# Altium PCB UmTRXv21.PcbDoc (part 12 of 19)
Units mm, origin at the board's own origin, x right, y up, seen from the top; angles counter-clockwise.
Board outline 159.5 x 99.5 mm, 6 copper layers (Top Layer, GND, MidLayer1, Mid-Layer 2, InternalPlane2, Bottom Layer), stack 1.526 mm thick; 716 components, 578 nets, 2850 pads, 1402 vias.
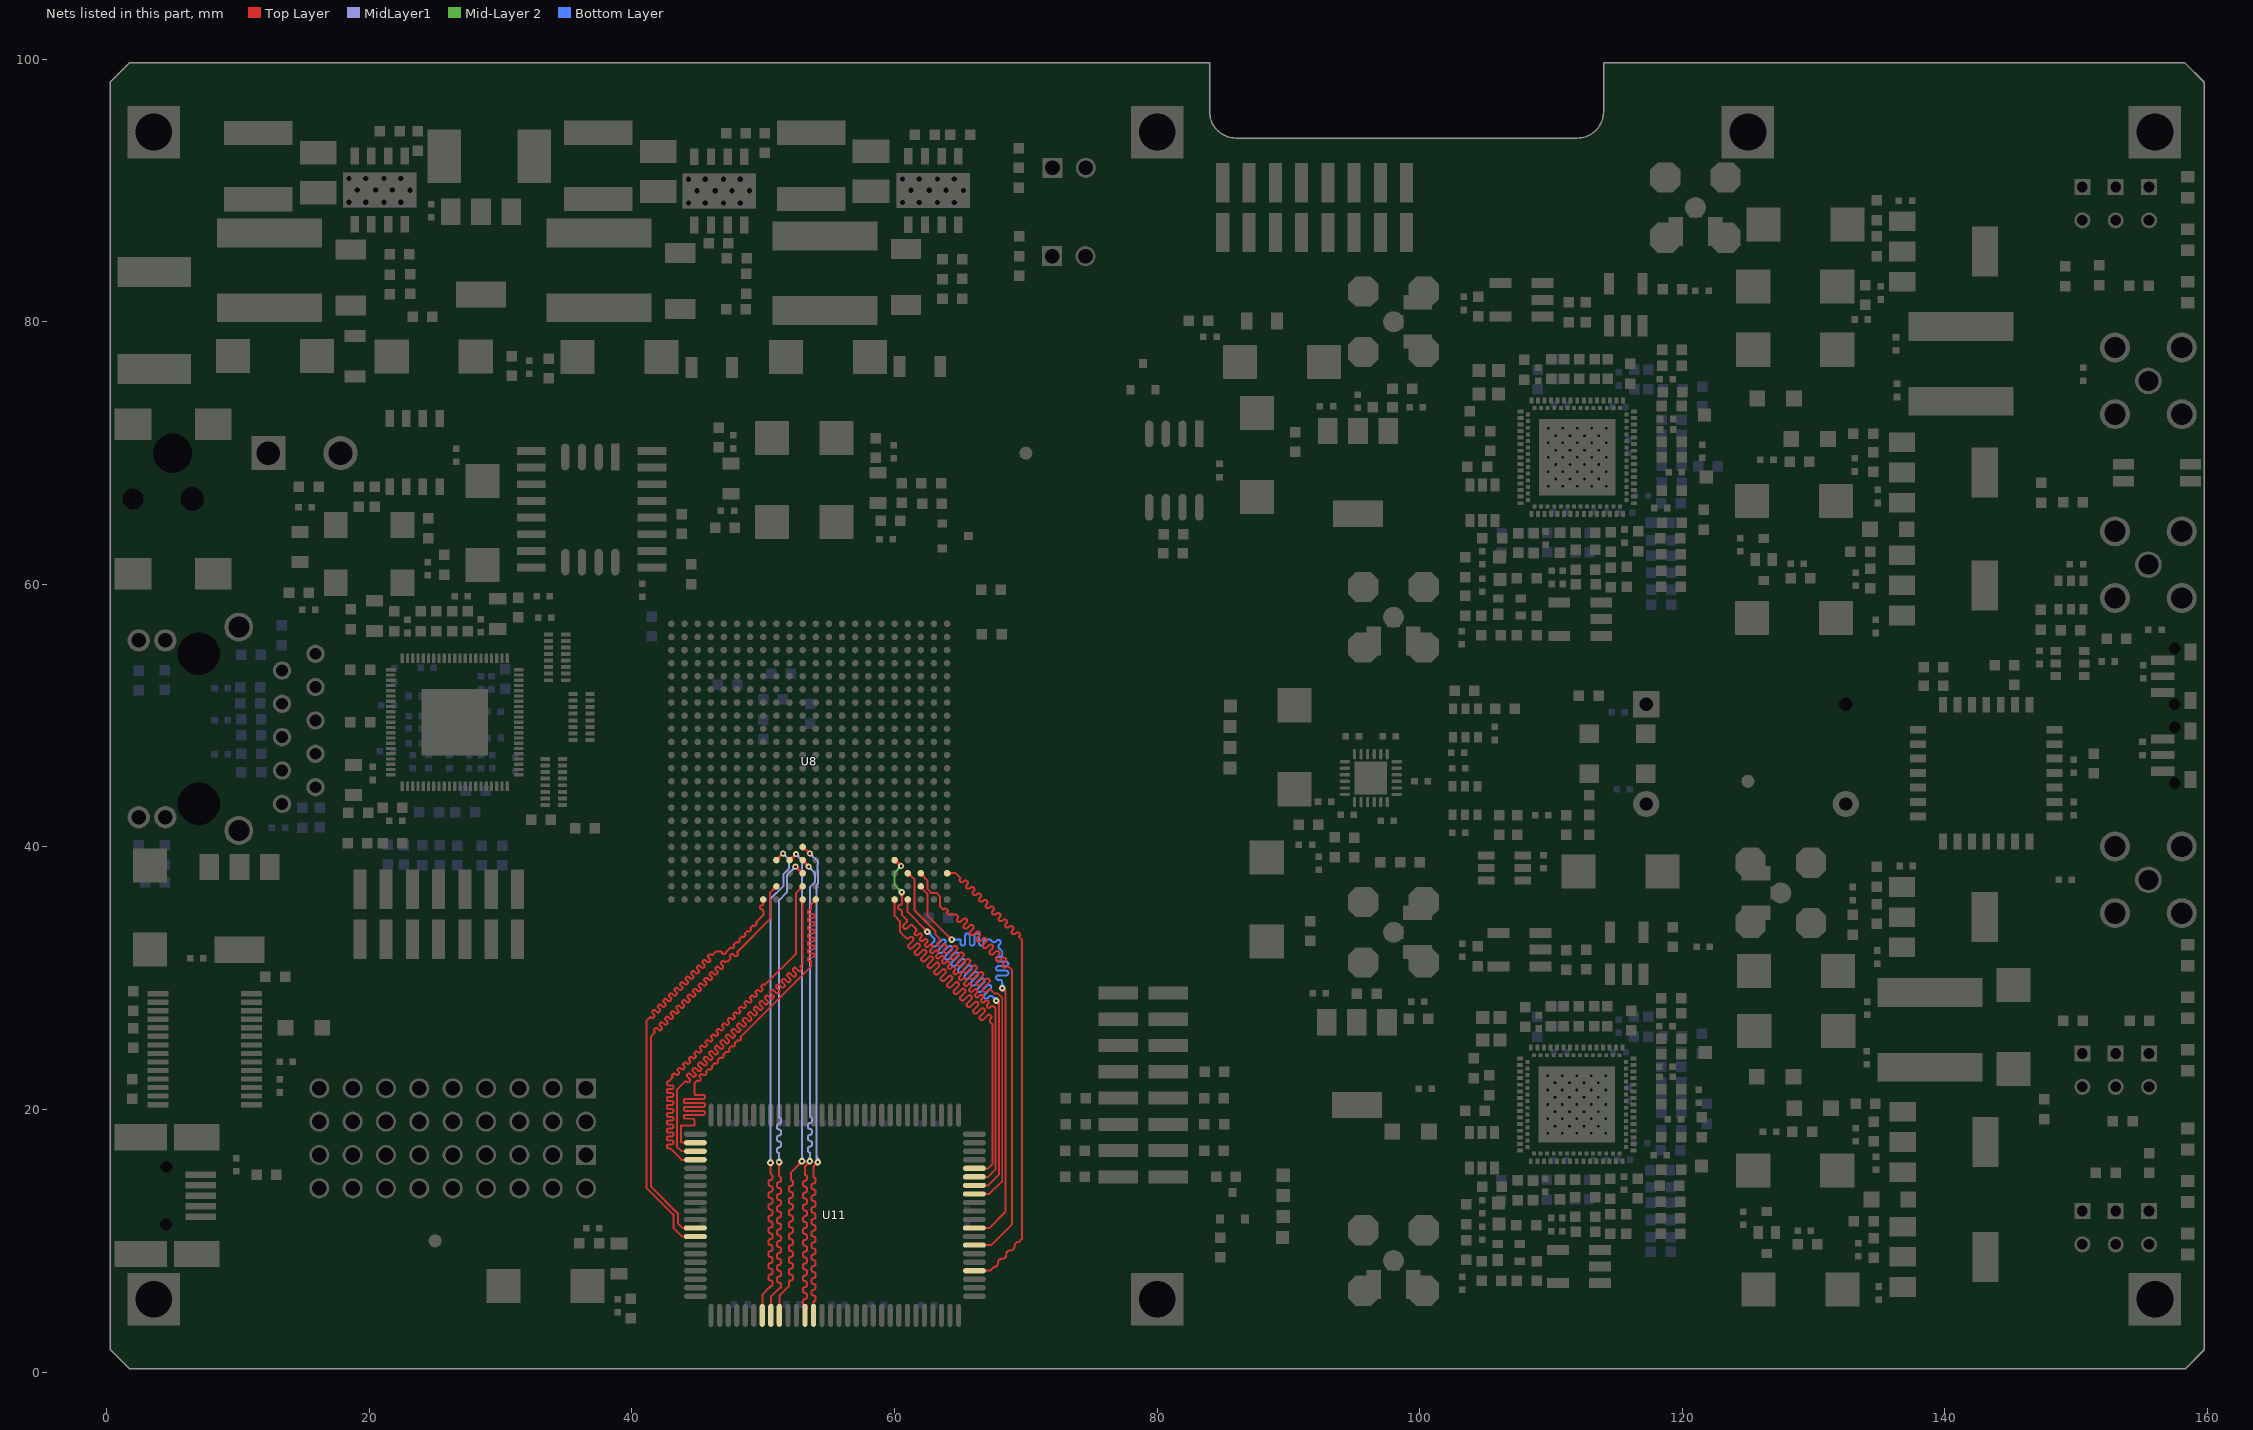
[diagram p16: the nets of this part, all layers, seen from the top]

## Via types
v1: diameter 0.45, hole 0.2, Top Layer to Bottom Layer, tented both sides, 440 vias
v2: diameter 0.5, hole 0.2, Top Layer to Bottom Layer, tented both sides, 423 vias
v3: diameter 0.7, hole 0.3, Top Layer to Bottom Layer, tented both sides, 257 vias
v4: diameter 0.4, hole 0.2, Top Layer to Bottom Layer, tented both sides, 197 vias
v5: diameter 0.8, hole 0.3, Top Layer to Bottom Layer, tented both sides, 63 vias
v6: diameter 0.6, hole 0.25, Top Layer to Bottom Layer, tented both sides, 16 vias
v7: diameter 0.6, hole 0.3, Top Layer to Bottom Layer, tented both sides, 4 vias
v8: diameter 1, hole 0.5, Top Layer to Bottom Layer, tented both sides, 2 vias

## Nets (pads, with @x,y where several pads share a name; then routed paths per layer and width w, separated by ;. In a path a pad name is that pad's centre, name@x,y a point inside that pad or via, vN(x,y) a via of type N, cw(c..) or ccw(c..) an arc to the next point about the centre after c; other vN are vias at no path point) (continued)
RAM_A15: U8.B12 U11.34 | length 40.3
  Top Layer w0.15: 43.552,22.709 43.509,22.667 cw(c43.424,22.752) 43.339,22.667 43.297,22.709 ccw(c43.212,22.625) 43.127,22.709 43.085,22.667 ccw(c43.17,22.582) 43.085,22.497 cw(c43.064,22.476) 43.085,22.455 42.9,22.27 cw(c42.78,22.27) 42.78,22.15 42.77,22.15 ccw(c42.77,22.03) 42.65,22.03 42.65,21.97 ccw(c42.77,21.97) 42.77,21.85 43.03,21.85 cw(c43.03,21.73) 43.15,21.73 43.15,21.67 cw(c43.03,21.67) 43.03,21.55 42.77,21.55 ccw(c42.77,21.43) 42.65,21.43 42.65,21.37 ccw(c42.77,21.37) 42.77,21.25 43.03,21.25 cw(c43.03,21.13) 43.15,21.13 43.15,21.07 cw(c43.03,21.07) 43.03,20.95 42.77,20.95 ccw(c42.77,20.83) 42.65,20.83 42.65,20.77 ccw(c42.77,20.77) 42.77,20.65 43.03,20.65 cw(c43.03,20.53) 43.15,20.53 43.15,20.47 cw(c43.03,20.47) 43.03,20.35 42.77,20.35 ccw(c42.77,20.23) 42.65,20.23 42.65,20.17 ccw(c42.77,20.17) 42.77,20.05 43.03,20.05 cw(c43.03,19.93) 43.15,19.93 43.15,19.87 cw(c43.03,19.87) 43.03,19.75 42.77,19.75 ccw(c42.77,19.63) 42.65,19.63 42.65,19.57 ccw(c42.77,19.57) 42.77,19.45 43.03,19.45 cw(c43.03,19.33) 43.15,19.33 43.15,19.27 cw(c43.03,19.27) 43.03,19.15 42.77,19.15 ccw(c42.77,19.03) 42.65,19.03 42.65,18.97 ccw(c42.77,18.97) 42.77,18.85 43.03,18.85 cw(c43.03,18.73) 43.15,18.73 43.15,18.67 cw(c43.03,18.67) 43.03,18.55 42.77,18.55 ccw(c42.77,18.43) 42.65,18.43 42.65,18.37 ccw(c42.77,18.37) 42.77,18.25 43.03,18.25 cw(c43.03,18.13) 43.15,18.13 43.15,18.07 cw(c43.03,18.07) 43.03,17.95 42.77,17.95 ccw(c42.77,17.83) 42.65,17.83 42.65,17.77 ccw(c42.77,17.77) 42.77,17.65 43.03,17.65 cw(c43.03,17.53) 43.15,17.53 43.15,17.47 cw(c43.03,17.47) 43.03,17.35 42.77,17.35 ccw(c42.77,17.23) 42.65,17.23 42.65,17.17 ccw(c42.77,17.17) 42.77,17.05 42.9,17.05 43.775,16.175 U11.34@44.825,16.175 ; 43.552,23.134 43.509,23.091 ccw(c43.594,23.006) 43.509,22.922 43.552,22.879 cw(c43.467,22.794) 43.552,22.71 ; 43.552,23.134 cw(c43.636,23.049) 43.721,23.134 43.764,23.091 ccw(c43.849,23.176) 43.933,23.091 43.976,23.134 ccw(c43.891,23.219) 43.976,23.303 43.933,23.346 cw(c44.018,23.431) 43.933,23.515 43.976,23.558 cw(c44.061,23.473) 44.145,23.558 44.188,23.515 ccw(c44.273,23.6) 44.357,23.515 44.4,23.558 ccw(c44.315,23.643) 44.4,23.727 44.379,23.749 44.358,23.77 cw(c44.442,23.855) 44.358,23.94 44.4,23.982 cw(c44.485,23.897) 44.57,23.982 44.612,23.94 ccw(c44.697,24.025) 44.782,23.94 44.824,23.982 ccw(c44.739,24.067) 44.824,24.152 44.782,24.194 cw(c44.867,24.279) 44.782,24.364 44.824,24.406 cw(c44.909,24.322) 44.994,24.406 45.036,24.364 ccw(c45.121,24.449) 45.206,24.364 45.249,24.406 ccw(c45.164,24.491) 45.249,24.576 ; 45.206,24.788 ccw(c45.291,24.703) 45.206,24.619 45.249,24.576 ; 45.206,24.788 45.249,24.831 cw(c45.333,24.746) 45.418,24.831 45.461,24.788 ccw(c45.546,24.873) 45.63,24.788 45.673,24.831 ccw(c45.588,24.916) 45.673,25 45.63,25.043 cw(c45.715,25.128) 45.63,25.212 45.673,25.255 cw(c45.758,25.17) 45.843,25.255 45.885,25.213 ccw(c45.97,25.297) 46.055,25.212 ; 46.055,25.213 46.097,25.255 ccw(c46.012,25.34) 46.097,25.425 46.076,25.446 46.055,25.467 cw(c46.14,25.552) 46.055,25.637 46.097,25.679 cw(c46.182,25.594) 46.267,25.679 46.309,25.637 ccw(c46.394,25.722) 46.479,25.637 46.521,25.679 ccw(c46.437,25.764) 46.521,25.849 46.479,25.891 cw(c46.564,25.976) 46.479,26.061 ; 46.479,26.061 46.521,26.104 cw(c46.606,26.019) 46.691,26.104 46.734,26.061 ccw(c46.818,26.146) 46.903,26.061 ; 46.903,26.485 ccw(c46.988,26.4) 46.903,26.316 46.946,26.273 cw(c46.861,26.188) 46.946,26.103 46.903,26.061 ; 46.903,26.485 46.946,26.528 cw(c47.03,26.443) 47.115,26.528 47.158,26.485 ccw(c47.243,26.57) 47.327,26.485 47.37,26.528 ccw(c47.285,26.613) 47.37,26.697 47.327,26.74 cw(c47.412,26.825) 47.327,26.909 47.37,26.952 cw(c47.455,26.867) 47.54,26.952 47.582,26.91 ccw(c47.667,26.994) 47.752,26.909 47.794,26.952 ccw(c47.709,27.037) 47.794,27.122 47.752,27.164 cw(c47.837,27.249) 47.752,27.334 47.794,27.376 cw(c47.879,27.291) 47.964,27.376 48.006,27.334 ccw(c48.091,27.419) 48.176,27.334 48.218,27.376 ccw(c48.134,27.461) 48.218,27.546 48.176,27.588 cw(c48.261,27.673) 48.176,27.758 48.218,27.801 ; 48.219,27.801 cw(c48.303,27.716) 48.388,27.801 48.431,27.758 ccw(c48.515,27.843) 48.6,27.758 48.643,27.801 ; 48.643,27.801 ccw(c48.558,27.885) 48.643,27.97 48.6,28.013 cw(c48.685,28.098) 48.6,28.182 48.643,28.225 cw(c48.728,28.14) 48.812,28.225 ; 48.812,28.225 48.834,28.204 48.855,28.182 ccw(c48.94,28.267) 49.025,28.182 49.067,28.225 ; 49.067,28.225 ccw(c48.982,28.31) 49.067,28.395 49.025,28.437 cw(c49.109,28.522) 49.024,28.607 49.067,28.649 cw(c49.152,28.564) 49.237,28.649 49.279,28.607 ccw(c49.364,28.692) 49.449,28.607 49.491,28.649 ccw(c49.406,28.734) 49.491,28.819 49.449,28.861 cw(c49.534,28.946) 49.449,29.031 49.491,29.073 cw(c49.576,28.988) 49.661,29.074 49.703,29.031 ccw(c49.788,29.116) 49.873,29.031 49.915,29.073 ; 49.915,29.498 49.873,29.455 ccw(c49.958,29.37) 49.873,29.285 49.915,29.243 cw(c49.831,29.158) 49.916,29.073 ; 49.916,29.498 cw(c50,29.413) 50.085,29.498 ccw(c50.106,29.519) 50.128,29.498 52.5,31.87 52.5,36.5 U8.B12@53,37 ; U8.B12@52.825,37 cw(c52.403,37) 52.701,36.701 cw(c53,36.403) U8.B12@53,36.825
RAM_A16: U8.A12 U11.33 | length 41.2
  Top Layer w0.15: 44.358,22.104 cw(c44.273,22.189) 44.188,22.105 44.181,22.112 ccw(c44.097,22.027) 44.012,22.112 43.421,21.521 43.421,17.179 43.775,16.825 U11.33@44.825,16.825 ; 44.358,22.105 44.401,22.147 ccw(c44.316,22.232) 44.401,22.317 44.309,22.409 44.217,22.501 cw(c44.302,22.585) 44.217,22.67 44.259,22.713 cw(c44.344,22.628) 44.429,22.713 44.613,22.529 ccw(c44.698,22.614) 44.782,22.529 44.825,22.571 ccw(c44.74,22.656) 44.825,22.741 44.641,22.925 cw(c44.726,23.01) 44.641,23.094 44.683,23.137 cw(c44.768,23.052) 44.853,23.137 45.037,22.953 ccw(c45.122,23.038) 45.207,22.953 ; 45.108,23.561 45.065,23.519 ccw(c45.15,23.434) 45.065,23.349 45.249,23.165 ; 45.108,23.561 cw(c45.193,23.476) 45.277,23.561 ; 45.207,22.953 45.249,22.996 ccw(c45.164,23.08) 45.249,23.165 ; 45.277,23.561 45.369,23.469 45.461,23.377 ; 45.461,23.377 ccw(c45.546,23.462) 45.631,23.377 45.673,23.42 ccw(c45.589,23.505) 45.673,23.59 45.49,23.773 ; 45.489,23.774 cw(c45.574,23.858) 45.49,23.943 45.532,23.986 cw(c45.617,23.901) 45.702,23.986 ; 45.702,23.986 45.886,23.802 ccw(c45.97,23.887) 46.055,23.802 46.098,23.844 ccw(c46.013,23.929) 46.098,24.014 46.006,24.106 45.914,24.198 ; 45.914,24.198 cw(c45.999,24.283) 45.914,24.367 ; 45.914,24.367 45.956,24.41 cw(c46.041,24.325) 46.126,24.41 ; 46.126,24.41 46.31,24.226 ccw(c46.395,24.311) 46.479,24.226 46.522,24.268 ccw(c46.437,24.353) 46.522,24.438 46.43,24.53 46.338,24.622 ; 46.338,24.622 cw(c46.423,24.707) 46.338,24.792 46.38,24.834 cw(c46.465,24.749) 46.55,24.834 46.734,24.65 ccw(c46.819,24.735) 46.904,24.65 46.946,24.693 ccw(c46.861,24.777) 46.946,24.862 ; 46.946,24.862 46.762,25.046 cw(c46.847,25.131) 46.762,25.216 46.805,25.258 cw(c46.89,25.173) 46.974,25.258 47.066,25.166 47.158,25.074 ; 47.158,25.074 ccw(c47.243,25.159) 47.328,25.074 47.37,25.117 ; 47.371,25.117 ccw(c47.286,25.202) 47.37,25.287 47.187,25.47 cw(c47.271,25.555) 47.187,25.64 47.229,25.683 cw(c47.314,25.598) 47.399,25.683 47.583,25.499 ccw(c47.667,25.584) 47.752,25.499 47.795,25.541 ccw(c47.71,25.626) 47.795,25.711 47.703,25.803 47.611,25.895 cw(c47.696,25.98) 47.611,26.064 47.653,26.107 cw(c47.738,26.022) 47.823,26.107 48.007,25.923 ccw(c48.092,26.008) 48.177,25.923 48.219,25.965 ; 48.219,25.966 ccw(c48.134,26.05) 48.219,26.135 48.127,26.227 48.035,26.319 cw(c48.12,26.404) 48.035,26.489 48.078,26.531 cw(c48.162,26.446) 48.247,26.531 48.431,26.347 ccw(c48.516,26.432) 48.601,26.347 48.643,26.39 ccw(c48.558,26.475) 48.643,26.559 48.459,26.743 cw(c48.544,26.828) 48.459,26.913 ; 48.459,26.913 48.502,26.955 cw(c48.587,26.871) 48.671,26.956 48.763,26.863 48.855,26.772 ccw(c48.94,26.856) 49.025,26.771 49.067,26.814 ccw(c48.983,26.899) 49.068,26.983 48.884,27.167 cw(c48.968,27.252) 48.884,27.337 48.926,27.38 cw(c49.011,27.295) 49.096,27.38 49.28,27.196 ccw(c49.364,27.281) 49.449,27.196 49.492,27.238 ccw(c49.407,27.323) 49.492,27.408 49.308,27.592 cw(c49.393,27.677) 49.308,27.761 49.35,27.804 cw(c49.435,27.719) 49.52,27.804 49.704,27.62 ccw(c49.789,27.705) 49.874,27.62 49.916,27.662 ccw(c49.831,27.747) 49.916,27.832 49.824,27.924 49.732,28.016 cw(c49.817,28.101) 49.732,28.186 49.775,28.228 cw(c49.859,28.143) 49.944,28.228 50.128,28.044 ccw(c50.213,28.129) 50.298,28.044 50.34,28.087 ccw(c50.255,28.172) 50.34,28.256 50.156,28.44 cw(c50.241,28.525) 50.156,28.61 50.199,28.652 cw(c50.284,28.568) 50.368,28.653 50.46,28.56 50.552,28.469 ccw(c50.637,28.553) 50.722,28.468 ; 50.722,28.469 50.765,28.511 ccw(c50.68,28.596) 50.765,28.681 50.581,28.865 cw(c50.666,28.949) 50.581,29.034 50.623,29.077 cw(c50.708,28.992) 50.793,29.077 50.885,28.985 50.977,28.893 ccw(c51.062,28.978) 51.146,28.893 51.189,28.935 ccw(c51.104,29.02) 51.189,29.105 51.005,29.289 cw(c51.09,29.374) 51.005,29.458 51.047,29.501 cw(c51.132,29.416) 51.217,29.501 51.401,29.317 ccw(c51.486,29.402) 51.57,29.317 ; 51.571,29.317 51.613,29.36 ccw(c51.528,29.444) 51.613,29.529 ; 51.613,29.529 51.521,29.621 51.429,29.713 cw(c51.514,29.798) 51.429,29.883 51.472,29.925 cw(c51.556,29.84) 51.641,29.925 51.825,29.741 ; 51.825,29.741 ccw(c51.91,29.826) 51.995,29.741 52.037,29.784 ccw(c51.952,29.869) 52.037,29.953 51.853,30.137 cw(c51.938,30.222) 51.853,30.307 51.896,30.349 ; 51.896,30.35 cw(c51.981,30.265) 52.066,30.349 52.249,30.166 ccw(c52.334,30.25) 52.419,30.165 52.462,30.208 ccw(c52.377,30.293) 52.462,30.378 52.278,30.562 ; 52.278,30.562 cw(c52.363,30.646) 52.278,30.731 52.32,30.774 cw(c52.405,30.689) 52.49,30.774 ; 52.49,30.774 52.582,30.682 52.674,30.59 ccw(c52.759,30.675) 52.843,30.59 52.886,30.632 ccw(c52.801,30.717) 52.886,30.802 52.879,30.809 cw(c52.964,30.894) 52.879,30.979 53,31.1 U8.A12@53,36 ; U8.A12@52.876,35.876 cw(c52.578,35.578) 53,35.578 cw(c53.422,35.578) U8.A12@53.124,35.876
RAM_A17: U8.A11 U11.32 | length 40.7
  Top Layer w0.15: U11.32@44.825,17.475 43.775,17.475 43.725,17.525 43.725,18.8 44.75,18.8 44.75,19.18 ccw(c44.63,19.18) 44.63,19.3 44.07,19.3 cw(c44.07,19.42) 43.95,19.42 43.95,19.48 cw(c44.07,19.48) 44.07,19.6 45.43,19.6 ccw(c45.43,19.72) 45.55,19.72 45.55,19.78 ccw(c45.43,19.78) 45.43,19.9 44.07,19.9 cw(c44.07,20.02) 43.95,20.02 43.95,20.08 cw(c44.07,20.08) 44.07,20.2 45.43,20.2 ccw(c45.43,20.32) 45.55,20.32 45.55,20.38 ccw(c45.43,20.38) 45.43,20.5 44.07,20.5 cw(c44.07,20.62) 43.95,20.62 43.95,20.68 cw(c44.07,20.68) 44.07,20.8 45.43,20.8 ccw(c45.43,20.92) 45.55,20.92 45.55,20.98 ccw(c45.43,20.98) 45.43,21.1 44.87,21.1 cw(c44.87,21.22) 44.75,21.22 44.75,22 44.969,22.219 ccw(c45.079,22.329) 45.188,22.438 cw(c45.301,22.545) 45.408,22.658 ccw(c45.517,22.767) 45.627,22.877 45.846,23.096 ccw(c45.956,23.206) 46.065,23.315 46.284,23.534 ccw(c46.394,23.644) 46.504,23.754 46.723,23.973 ccw(c46.832,24.082) 46.942,24.192 47.161,24.411 ccw(c47.271,24.521) 47.38,24.63 47.6,24.85 ccw(c47.709,24.959) 47.819,25.069 48.038,25.288 ccw(c48.148,25.398) 48.257,25.507 53.65,30.9 53.65,31.3 53.52,31.3 cw(c53.52,31.42) 53.4,31.42 53.4,31.48 cw(c53.52,31.48) 53.52,31.6 53.78,31.6 ccw(c53.78,31.72) 53.9,31.72 53.9,31.78 ccw(c53.78,31.78) 53.78,31.9 53.52,31.9 cw(c53.52,32.02) 53.4,32.02 53.4,32.08 cw(c53.52,32.08) 53.52,32.2 53.78,32.2 ccw(c53.78,32.32) 53.9,32.32 53.9,32.38 ccw(c53.78,32.38) 53.78,32.5 53.52,32.5 cw(c53.52,32.62) 53.4,32.62 53.4,32.68 cw(c53.52,32.68) 53.52,32.8 53.78,32.8 ccw(c53.78,32.92) 53.9,32.92 53.9,32.98 ccw(c53.78,32.98) 53.78,33.1 53.52,33.1 cw(c53.52,33.22) 53.4,33.22 53.4,33.28 cw(c53.52,33.28) 53.52,33.4 53.78,33.4 ccw(c53.78,33.52) 53.9,33.52 53.9,33.58 ccw(c53.78,33.58) 53.78,33.7 53.52,33.7 cw(c53.52,33.82) 53.4,33.82 53.4,33.88 cw(c53.52,33.88) 53.52,34 53.78,34 ccw(c53.78,34.12) 53.9,34.12 53.9,34.18 ccw(c53.78,34.18) 53.78,34.3 53.52,34.3 cw(c53.52,34.42) 53.4,34.42 53.4,34.48 cw(c53.52,34.48) 53.52,34.6 53.78,34.6 ccw(c53.78,34.72) 53.9,34.72 53.9,34.78 ccw(c53.78,34.78) 53.78,34.9 53.52,34.9 cw(c53.52,35.02) 53.4,35.02 53.4,35.08 cw(c53.52,35.08) 53.52,35.2 53.53,35.2 ccw(c53.53,35.32) 53.65,35.32 53.65,35.65 U8.A11@54,36 ; U8.A11@53.825,36 cw(c53.403,36) 53.701,35.701 cw(c54,35.403) U8.A11@54,35.825
RAM_A18: U8.C1 U11.84 | length 40.7
  Top Layer w0.15: U8.C1@64,38 64.65,38 65.004,37.646 cw(c64.986,37.629) 65.004,37.611 ccw(c65.127,37.487) 65.004,37.364 ccw(c65.127,37.487) 65.251,37.364 65.286,37.399 cw(c65.41,37.275) 65.534,37.399 cw(c65.41,37.275) 65.534,37.151 65.499,37.116 ccw(c65.622,36.992) 65.499,36.869 ccw(c65.622,36.992) 65.746,36.869 65.764,36.886 65.781,36.904 cw(c65.905,36.78) 66.029,36.904 cw(c65.905,36.78) 66.029,36.657 66.011,36.639 65.993,36.621 ccw(c66.117,36.497) 65.993,36.374 ccw(c66.117,36.497) 66.241,36.374 66.276,36.409 cw(c66.4,36.285) 66.524,36.409 cw(c66.4,36.285) 66.524,36.162 66.488,36.126 ccw(c66.612,36.002) 66.488,35.879 ccw(c66.612,36.002) 66.736,35.879 66.771,35.914 cw(c66.895,35.79) 67.019,35.914 cw(c66.895,35.79) 67.019,35.667 67.001,35.649 66.983,35.631 ccw(c67.107,35.507) 66.983,35.384 ccw(c67.107,35.507) 67.231,35.384 67.249,35.401 67.266,35.419 cw(c67.39,35.295) 67.514,35.419 cw(c67.39,35.295) 67.514,35.172 67.478,35.136 ccw(c67.602,35.012) 67.478,34.889 ccw(c67.602,35.012) 67.726,34.889 67.761,34.924 cw(c67.885,34.8) 68.009,34.924 cw(c67.885,34.8) 68.009,34.677 67.991,34.659 67.973,34.641 ccw(c68.097,34.518) 67.973,34.394 ccw(c68.097,34.518) 68.221,34.394 68.239,34.411 68.256,34.429 cw(c68.38,34.305) 68.504,34.429 cw(c68.38,34.305) 68.504,34.182 68.468,34.146 ccw(c68.592,34.023) 68.468,33.899 ccw(c68.592,34.023) 68.716,33.899 68.751,33.934 cw(c68.875,33.81) 68.999,33.934 cw(c68.875,33.81) 68.999,33.687 68.963,33.651 ccw(c69.087,33.528) 68.963,33.404 ccw(c69.087,33.528) 69.211,33.404 69.229,33.421 69.246,33.439 cw(c69.37,33.315) 69.494,33.439 cw(c69.37,33.315) 69.494,33.192 ccw(c69.511,33.174) 69.494,33.156 69.7,32.95 69.7,10.15 69.459,9.909 ccw(c69.444,9.606) 69.141,9.591 cw(c68.838,9.576) 68.823,9.273 ccw(c68.807,8.97) 68.505,8.955 cw(c68.202,8.939) 68.186,8.636 ccw(c68.171,8.334) 67.868,8.318 cw(c67.565,8.303) 67.55,8 67.275,7.725 U11.84@66.075,7.725 ; U8.C1@64.124,37.876 cw(c64.422,37.578) 64.422,38 cw(c64.422,38.422) U8.C1@64.124,38.124
RAM_A19: U8.A15 U11.43 | length 40.3
  Top Layer w0.15: 42.04,27.973 41.998,27.931 ccw(c42.083,27.846) 41.998,27.761 42.055,27.705 42.111,27.648 cw(c42.026,27.563) 42.111,27.478 42.069,27.436 cw(c41.984,27.521) 41.899,27.436 41.842,27.492 41.786,27.549 ccw(c41.701,27.464) 41.616,27.549 41.574,27.507 ccw(c41.659,27.422) 41.574,27.337 41.687,27.224 cw(c41.602,27.139) 41.687,27.054 41.644,27.012 cw(c41.56,27.096) 41.475,27.012 ccw(c41.418,26.955) 41.362,27.012 41.1,26.75 41.1,14.05 43.15,12 43.15,11 43.825,10.325 U11.43@44.825,10.325 ; 42.041,27.973 cw(c42.125,27.888) 42.21,27.973 42.267,27.917 42.323,27.86 ccw(c42.408,27.945) 42.493,27.86 42.535,27.903 ccw(c42.451,27.987) 42.535,28.072 42.479,28.129 42.422,28.185 ; 42.422,28.186 cw(c42.507,28.27) 42.422,28.355 42.465,28.398 ; 42.465,28.398 cw(c42.55,28.313) 42.634,28.398 42.691,28.341 42.748,28.284 ccw(c42.832,28.369) 42.917,28.284 42.96,28.327 ; 42.96,28.327 ccw(c42.875,28.412) 42.96,28.497 42.903,28.553 42.847,28.61 cw(c42.931,28.695) 42.846,28.779 42.889,28.822 cw(c42.974,28.737) 43.059,28.822 43.115,28.765 43.172,28.709 ccw(c43.257,28.794) 43.341,28.709 43.384,28.751 ccw(c43.299,28.836) 43.384,28.921 ; 43.384,28.921 43.271,29.034 cw(c43.356,29.119) 43.271,29.204 43.313,29.246 cw(c43.398,29.161) 43.483,29.246 43.54,29.19 43.596,29.133 ccw(c43.681,29.218) 43.766,29.133 ; 43.766,29.133 43.808,29.175 ccw(c43.723,29.26) 43.808,29.345 43.752,29.402 43.695,29.458 cw(c43.78,29.543) 43.695,29.628 43.737,29.67 cw(c43.822,29.585) 43.907,29.67 43.964,29.614 44.02,29.557 ccw(c44.105,29.642) 44.19,29.557 ; 44.119,30.052 ccw(c44.204,29.967) 44.119,29.882 44.176,29.826 44.232,29.769 cw(c44.148,29.684) 44.232,29.6 44.19,29.557 ; 44.119,30.052 44.162,30.095 cw(c44.247,30.01) 44.331,30.095 44.388,30.038 44.445,29.981 ccw(c44.529,30.066) 44.614,29.981 44.657,30.024 ccw(c44.572,30.109) 44.657,30.194 44.6,30.25 44.544,30.307 cw(c44.628,30.392) 44.543,30.476 44.586,30.519 cw(c44.671,30.434) 44.756,30.519 44.812,30.462 44.869,30.406 ccw(c44.954,30.491) 45.038,30.406 45.081,30.448 ccw(c44.996,30.533) 45.081,30.618 45.024,30.674 44.968,30.731 cw(c45.053,30.816) 44.968,30.901 45.01,30.943 cw(c45.095,30.858) 45.18,30.943 45.237,30.887 45.293,30.83 ccw(c45.378,30.915) 45.463,30.83 45.505,30.872 ccw(c45.42,30.957) 45.505,31.042 45.449,31.099 45.392,31.155 cw(c45.477,31.24) 45.392,31.325 ; 45.392,31.325 45.435,31.367 cw(c45.519,31.283) 45.604,31.367 45.661,31.311 45.717,31.254 ccw(c45.802,31.339) 45.887,31.254 ; 45.816,31.749 ccw(c45.901,31.664) 45.816,31.58 45.873,31.523 45.93,31.466 cw(c45.845,31.382) 45.93,31.297 45.887,31.254 ; 45.816,31.749 45.859,31.792 cw(c45.944,31.707) 46.029,31.792 ccw(c46.085,31.848) 46.142,31.792 46.4,32.05 46.77,32.05 cw(c46.77,31.97) 46.85,31.97 ccw(c46.97,31.97) 46.97,31.85 47.03,31.85 ccw(c47.03,31.97) 47.15,31.97 cw(c47.23,31.97) 47.23,32.05 47.501,32.321 cw(c47.523,32.3) 47.544,32.321 ccw(c47.629,32.406) 47.714,32.321 47.756,32.364 ccw(c47.671,32.449) 47.756,32.534 cw(c47.777,32.555) 47.756,32.576 47.926,32.746 cw(c47.947,32.724) 47.968,32.746 ccw(c48.053,32.831) 48.138,32.746 48.18,32.788 ccw(c48.095,32.873) 48.18,32.958 cw(c48.201,32.979) 48.18,33 ; 48.18,33 48.35,33.17 cw(c48.371,33.149) 48.392,33.17 ccw(c48.477,33.255) 48.562,33.17 48.604,33.212 ccw(c48.52,33.297) 48.604,33.382 cw(c48.626,33.403) 48.604,33.424 48.774,33.594 cw(c48.795,33.573) 48.817,33.594 ccw(c48.901,33.679) 48.986,33.594 49.029,33.637 ccw(c48.944,33.721) 49.029,33.806 cw(c49.05,33.828) 49.029,33.849 49.198,34.018 ; 49.199,34.019 cw(c49.22,33.997) 49.241,34.018 ccw(c49.326,34.103) 49.411,34.018 49.453,34.061 ccw(c49.368,34.146) 49.453,34.231 cw(c49.474,34.252) 49.453,34.273 50,34.82 50,35.13 ccw(c49.88,35.13) 49.88,35.25 49.87,35.25 cw(c49.87,35.37) 49.75,35.37 49.75,35.43 cw(c49.87,35.43) 49.87,35.55 49.88,35.55 ccw(c49.88,35.67) 50,35.67 ; U8.A15@49.902,35.855 cw(c49.776,35.67) 50,35.67 ; U8.A15@50,36 50,35.67 ; U8.A15@50.098,35.855 ccw(c50.224,35.67) 50,35.67
RAM_A20: U8.B14 U11.42 | length 40.6
  Top Layer w0.15: 42.56,26.993 ccw(c42.645,26.908) 42.56,26.823 42.617,26.767 42.673,26.71 cw(c42.588,26.625) 42.673,26.541 42.631,26.498 ; 42.56,26.993 42.603,27.035 cw(c42.687,26.951) 42.772,27.035 42.829,26.979 42.885,26.922 ccw(c42.97,27.007) 43.055,26.922 43.098,26.965 ccw(c43.013,27.05) 43.098,27.134 43.041,27.191 42.984,27.248 cw(c43.069,27.332) 42.984,27.417 ; 42.631,26.498 cw(c42.546,26.583) 42.461,26.498 42.405,26.555 42.348,26.611 ccw(c42.263,26.526) 42.178,26.611 42.136,26.569 ccw(c42.221,26.484) 42.136,26.399 42.192,26.342 42.249,26.286 cw(c42.164,26.201) 42.249,26.116 42.207,26.074 cw(c42.122,26.159) 42.037,26.074 41.924,26.187 ccw(c41.839,26.102) 41.754,26.187 41.712,26.144 ccw(c41.796,26.06) 41.712,25.975 cw(c41.655,25.918) 41.712,25.862 41.45,25.6 41.45,14.132 43.5,12.082 43.5,11.35 43.875,10.975 U11.42@44.825,10.975 ; 42.984,27.417 43.027,27.46 cw(c43.112,27.375) 43.197,27.46 43.253,27.403 43.31,27.347 ccw(c43.395,27.431) 43.479,27.346 43.522,27.389 ccw(c43.437,27.474) 43.522,27.559 43.465,27.615 43.409,27.672 cw(c43.494,27.757) 43.409,27.841 43.451,27.884 ; 43.451,27.884 cw(c43.536,27.799) 43.621,27.884 43.734,27.771 ccw(c43.819,27.856) 43.904,27.771 43.946,27.813 ; 43.875,28.308 43.833,28.266 ccw(c43.918,28.181) 43.833,28.096 43.89,28.04 43.946,27.983 cw(c43.861,27.898) 43.946,27.813 ; 43.876,28.308 cw(c43.96,28.223) 44.045,28.308 44.102,28.252 44.158,28.195 ccw(c44.243,28.28) 44.328,28.195 44.37,28.238 ; 44.371,28.238 ccw(c44.285,28.322) 44.37,28.407 44.314,28.464 44.257,28.52 cw(c44.342,28.605) 44.257,28.69 44.3,28.732 cw(c44.384,28.648) 44.469,28.733 44.526,28.676 44.582,28.619 ccw(c44.667,28.704) 44.752,28.619 44.795,28.662 ccw(c44.71,28.747) 44.795,28.831 44.738,28.888 44.681,28.945 cw(c44.766,29.029) 44.681,29.114 44.724,29.157 cw(c44.809,29.072) 44.894,29.157 44.95,29.1 45.007,29.044 ccw(c45.092,29.128) 45.176,29.043 45.219,29.086 ccw(c45.134,29.171) 45.219,29.256 45.162,29.312 45.106,29.369 cw(c45.191,29.454) 45.106,29.538 45.148,29.581 cw(c45.233,29.496) 45.318,29.581 45.374,29.524 45.431,29.468 ccw(c45.516,29.553) 45.601,29.468 45.643,29.51 ; 45.53,29.793 45.587,29.737 45.643,29.68 cw(c45.558,29.595) 45.643,29.51 ; 45.53,29.793 cw(c45.615,29.878) 45.53,29.963 45.572,30.005 ; 45.573,30.005 cw(c45.657,29.92) 45.742,30.005 45.799,29.949 45.855,29.892 ccw(c45.94,29.977) 46.025,29.892 46.067,29.935 ; 46.068,29.935 ccw(c45.983,30.019) 46.067,30.104 46.011,30.161 45.954,30.217 cw(c46.039,30.302) 45.954,30.387 45.997,30.43 cw(c46.082,30.345) 46.166,30.43 ; 46.166,30.43 46.223,30.373 46.28,30.316 ccw(c46.364,30.401) 46.449,30.316 46.492,30.359 ccw(c46.407,30.444) 46.492,30.528 46.379,30.642 cw(c46.463,30.727) 46.378,30.811 46.421,30.854 cw(c46.506,30.769) 46.591,30.854 46.647,30.797 46.704,30.741 ccw(c46.789,30.826) 46.873,30.741 46.916,30.783 ccw(c46.831,30.868) 46.916,30.953 46.859,31.009 46.803,31.066 cw(c46.888,31.151) 46.803,31.235 ; 46.803,31.236 46.845,31.278 cw(c46.93,31.193) 47.015,31.278 47.018,31.275 ccw(c47.071,31.329) 47.125,31.275 47.275,31.275 47.499,31.499 ccw(c47.443,31.556) 47.499,31.613 cw(c47.584,31.697) 47.499,31.782 47.542,31.825 cw(c47.627,31.74) 47.711,31.825 47.768,31.768 47.825,31.712 ccw(c47.91,31.796) 47.994,31.712 48.037,31.754 ccw(c47.952,31.839) 48.037,31.924 cw(c48.093,31.98) 48.037,32.037 50.5,34.5 50.5,36.5 U8.B14@51,37 ; U8.B14@50.825,37 cw(c50.403,37) 50.701,36.701 cw(c51,36.403) U8.B14@51,36.825